# KiCad board oresat-live-card.kicad_pcb (continued)
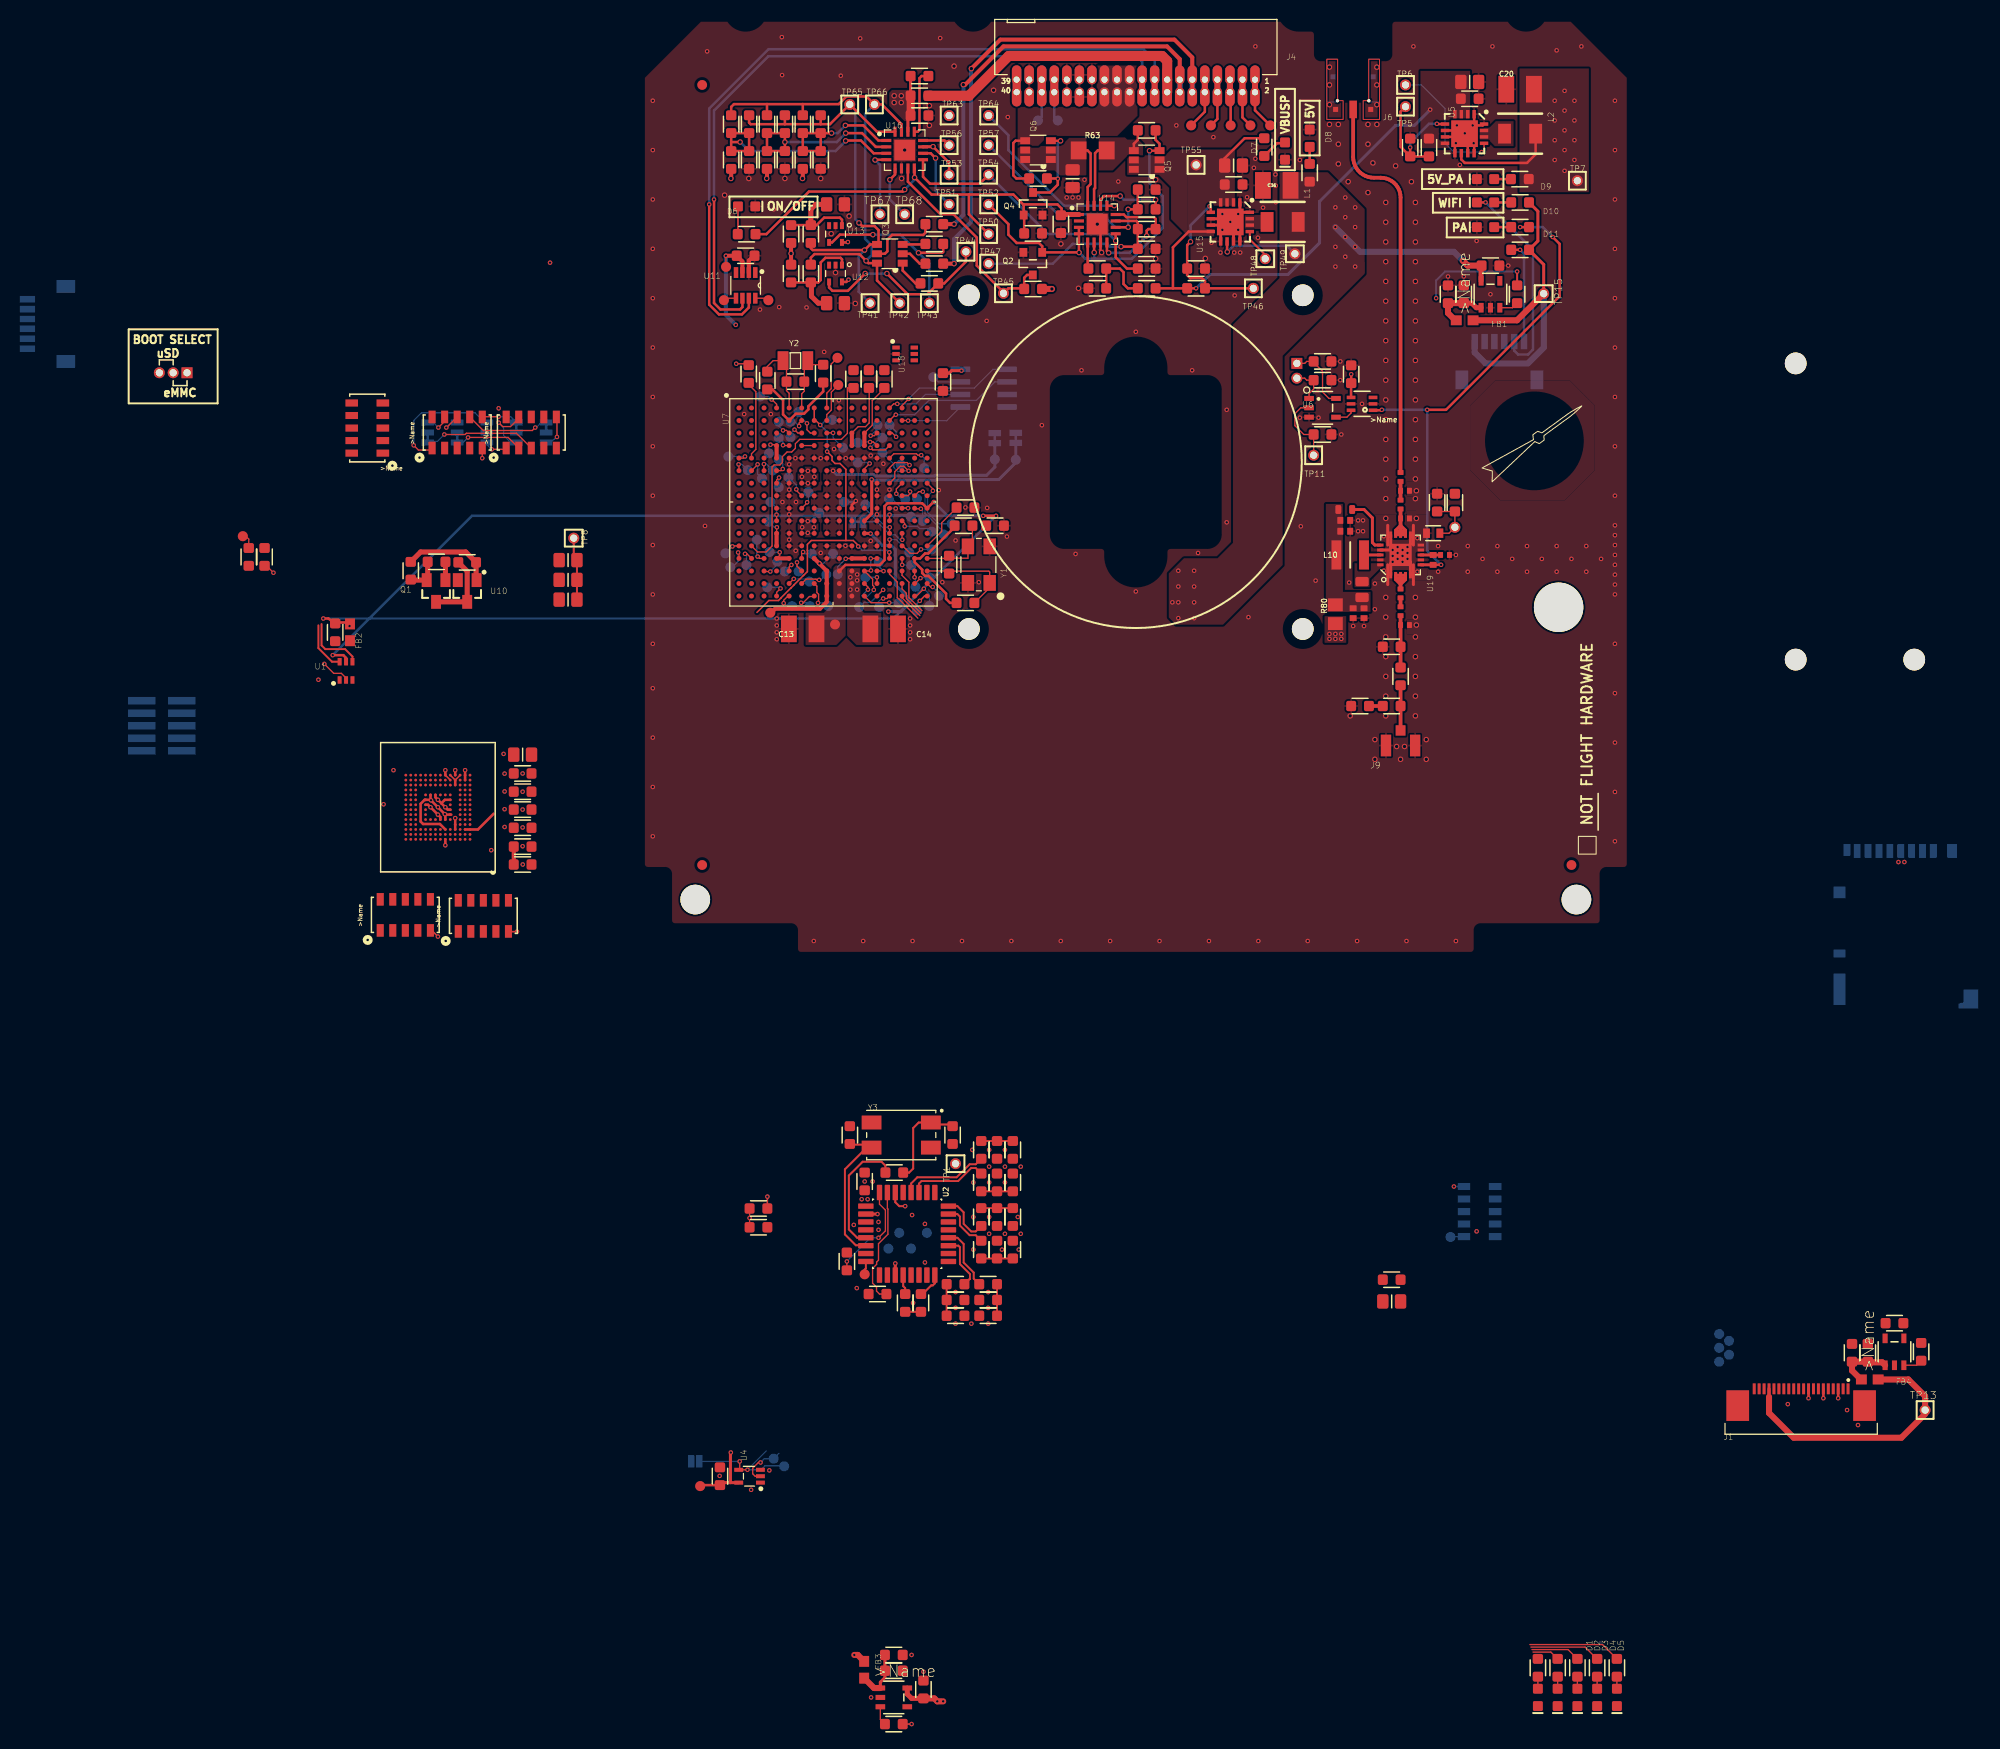
[diagram p0: board, top side]
## Footprints (pads in the part's own frame, mm; a bottom-side part is the same pattern mirrored in y, then rotated) (continued)
SMT-JUMPER_2_NC_TRACE_SILK
  rect 0.635x1.27 smd: 1(-0.508,0) 2(0.508,0)
SMT-JUMPER_2_NO_SILK
  rect 0.635x1.27 smd: 1(-0.406,0) 2(0.406,0)
SMT-JUMPER_3_1-NC_TRACE_SILK
  rect 0.635x1.27 smd: 1(-1.016,0) 2(0,0) 3(1.016,0)
SOIC8
  rect 1.981x0.559 smd: 1(-2.362,1.905) 2(-2.362,0.635) 3(-2.362,-0.635) 4(-2.362,-1.905) 5(2.362,-1.905) 6(2.362,-0.635) 7(2.362,0.635) 8(2.362,1.905)
SOT23
  rect 0.787x0.889 smd: 1(-0.953,-1.143) 2(0.953,-1.143) 3(0,1.143)
SOT23-3
  rect 1x1.4 smd: 1(-0.95,-1.1) 2(0.95,-1.1) 3(0,1.1)
SOT23-6
  rect 0.7x1 smd: 1(-0.95,-1.3) 2(0,-1.3) 3(0.95,-1.3) 4(0.95,1.3) 5(0,1.3) 6(-0.95,1.3)
SOT23-8_TI-DCN
  rect 0.45x1.1 smd: 1(-0.975,-1.3) 2(-0.325,-1.3) 3(0.325,-1.3) 4(0.975,-1.3) 5(0.975,1.3) 6(0.325,1.3) 7(-0.325,1.3) 8(-0.975,1.3)
SOT23-BEC
  rect 1x1.4 smd: B(-0.95,-1.1) C(0,1.1) E(0.95,-1.1)
TE_2-1734592-0
  rect 0.3x1.1 smd: 1(-4.75,-1.7) 2(-4.25,-1.7) 3(-3.75,-1.7) 4(-3.25,-1.7) 5(-2.75,-1.7) 6(-2.25,-1.7) 7(-1.75,-1.7) 8(-1.25,-1.7) 9(-0.75,-1.7) 10(-0.25,-1.7) 11(0.25,-1.7) 12(0.75,-1.7) 13(1.25,-1.7) 14(1.75,-1.7) 15(2.25,-1.7) 16(2.75,-1.7) 17(3.25,-1.7) 18(3.75,-1.7) 19(4.25,-1.7) 20(4.75,-1.7)
  rect 2.3x3.1 smd: PAD1(6.42,0) PAD2(-6.42,0)
U.FL-R-SMT
  rect 1x1.05 smd: 1(0,1.525)
  rect 1.05x2.2 smd: 2(-1.475,0) 3(1.475,0)
unnamed
  round 2.2 hole 2.2 unplated: (0,0)
unnamed#2
  round 5 hole 5 unplated: (0,0)
WF-NP9202
  round 2.2 hole 2.2 unplated: (-6,-15) (6,-15) (6,15)

## Nets
1.8V-A: C24.1 C25.1 C26.1 R18.1 TP8.1 TP171.1 U7.A7 U7.B7 U7.N13
3.3V: C2.1 C3.1 C5.1 C6.1 C8.1 C9.1 C11.1 C15.1 C31.2 C40.2 C65.1 J5.P$1 J7.4 J8.1 R1.1 R6.2 R7.2 R8.5 R8.10 R9.5 R9.10 R10.5 R10.10 R20.2 R22.2 R24.5 R24.10 R60.1 R76.2 R97.1 R99.1 TP25.1 U2.3 U2.22 U2.25 U2.26 U3.C6 U3.E6 U3.F5 U3.J10 U3.K9 U3.M4 U3.N4 U3.P3 U3.P5 U6.5 U7.F6 U7.F7 U7.G6 U7.G7 U11.3 U17.8 U$1.P$1
3.3VA: C41.1 JP101.1 TP165.1 U7.F8 U7.F9 U7.G8 U7.G9 U7.H7 U7.H8 U7.H9 U7.J7 U7.J8 U7.J9 U7.K8 U7.K9 U7.L8 U7.L9 U18.5
5V: C1.1 C14.1 C28.1 C36.1 C54.1 L1.2 R62.2 TP49.1 U7.P10 U7.R10 U7.T10 U9.5 U15.10 U20.5 U21.5
5V_PA: C20.1 C21.1 L2.2 R11.2 R80.2 TP7.1 U5.10 U8.4
GND: C1.2 C2.2 C3.2 C4.2 C5.2 C6.2 C7.2 C8.2 C9.2 C10.2 C11.2 C12.2 C13.2 C14.2 C15.2 C16.2 C17.2 C18.2 C20.2 C21.2 C23.2 C24.2 C25.2 C26.2 C27.2 C28.2 C31.1 C32.2 C34.2 C35.2 C36.2 C37.2 C38.2 C39.1 C40.1 C41.2 C42.2 C43.2 C44.2 C45.2 C46.2 C47.2 C48.2 C50.2 C52.2 C53.2 C54.2 C55.2 C56.2 C57.2 C58.2 C59.2 C60.2 C61.2 C62.2 C63.2 C64.2 C65.2 D1.C D2.C D3.C D4.C D5.C D6.C D7.C D8.C D9.C D11.C J1.3 J1.6 J1.9 J1.PAD1 J1.PAD2 J2.3 J2.7 J2.8 J4.27 J4.28 J4.29 J4.30 J4.31 J4.32 J4.37 J4.38 J6.P$1 J6.P$2 J6.P$3 J6.P$4 J7.6 J7.CGND1 J7.CGND2 J7.CGND3 J7.CGND4 J7.CGND5 J7.CGND6 J7.GND J8.3 J8.5 J8.9 J9.2 J9.3 J10.3 J10.7 J10.8 JP100.2 L7.1 Q2.2 Q4.2 R14.1 R15.1 R16.1 R17.1 R19.1 R25.5 R25.10 R26.5 R26.10 R33.1 R39.1 R40.1 R42.1 R46.1 R51.1 R54.1 R56.1 R58.1 R59.2 R78.1 R83.1 R85.1 R88.2 R90.1 R92.1 R94.1 R96.1 R100.1 R101.1 RT2.2 U1.2 U2.7 U2.27 U2.28 U2.31 U3.A6 U3.C4 U3.E7 U3.G5 U3.H10 U3.J5 U3.K8 U3.N2 U3.N5 U3.P4 U3.P6 U4.3 U5.1 U5.6 U5.7 U5.9 U5.11 U5.12 U5.16 U5.PAD U6.3 U7.A9 U7.B9 U7.D8 U7.D9 U7.E5 U7.E6 U7.E7 U7.E8 U7.E9 U7.E10 U7.E11 U7.E12 U7.F5 U7.F12 U7.G5 U7.G12 U7.H4 U7.H5 U7.H12 U7.H13 U7.J4 U7.J5 U7.J12 U7.J13 U7.K5 U7.K12 U7.L5 U7.L12 U7.M5 U7.M6 U7.M7 U7.M8 U7.M9 U7.M10 U7.M11 U7.M12 U7.N8 U7.N9 U8.2 U8.5 U9.2 U11.2 U12.2 U13.2 U14.7 U14.EPAD U15.1 U15.6 U15.7 U15.9 U15.11 U15.12 U15.16 U15.PAD U16.6 U16.EPAD U17.4 U18.2 U19.1 U19.5 U19.7 U19.9 U19.10 U19.11 U19.15 U19.17 U19.19 U19.21 U20.2 U21.2 U$1.P$3 Y1.2 Y1.4 Y3.2 Y3.4
VBUS: J4.21 J4.22 J4.23 J4.24 J4.25 J4.26 Q6.4 R52.2
VBUSP: C16.1 C17.1 C33.2 C37.1 C38.1 Q5.1 Q5.2 Q5.5 Q5.6 R12.2 R34.2 R61.2 TP55.1 U5.2 U5.3 U5.4 U5.8 U15.2 U15.3 U15.4 U15.8
VDD: TP3.1 U7.K6 U7.K7 U7.L6 U7.L7
VIN_USB: C4.1 C13.1 FB2.2 TP2.1 U1.5 U7.J16 U7.P9 U7.R9 U7.T9
AD0: R57.1 R58.2 R69.2 R70.1 U16.1
AD1: R55.1 R56.2 R67.2 R68.1 U16.2
AD2: R53.1 R54.2 R65.2 R66.1 U16.3
BOOT0: TP51.1 U16.10
CAM_~{OVERCUR}: R6.1 U2.10 U9.3
CAM_~{PWRON}: U2.9 U9.4
CAN1_H: J4.33 J4.34 TP184.1
CAN1_L: J4.35 J4.36 TP183.1
CAN2_H: J4.17 J4.18 U11.7
CAN2_L: J4.19 J4.20 U11.6
CB-RESET: R39.2 TP54.1 U14.9 U16.9
CB_CTRL: Q2.1 Q5.3 R64.1 TP52.1 U14.3 U14.4 U14.6
EEPROM_WP: J1.20 R75.1 TP112.1 U18.6
HO_~{OVERCUR}: R76.1 U2.14 U21.3
HO_~{PWRON}: U2.13 U21.4
I2C0_SCL: J1.18 R73.1 TP155.1 U18.3
I2C0_SDA: J1.19 R74.1 TP151.1 U18.1
IOUT: R50.2 U14.14
N$1: U7.D6 U7.D7
N$2: D5.A R5.2
N$3: TP9.1 U7.F10 U7.G10 U7.H10 U7.H11 U7.J10 U7.J11 U7.K10 U7.L10
N$4: J7.1 R8.2 U7.C16
N$5: J7.2 R8.9 U7.C15
N$6: J7.3 R8.3 U7.B16
N$7: J7.5 R8.8 U7.B15
N$8: J7.7 R8.4 U7.A16
N$9: J7.8 R8.7 U7.A15
N$10: J7.CD R8.6 TP22.1 U7.C14
N$11: U7.B11 U11.4
N$12: U7.A11 U11.1
N$13: TP40.1 U11.8
N$14: TP35.1 U11.5
N$15: JP105.3 R25.3
N$16: JP105.1 R24.9
N$17: JP106.1 R24.8
N$18: JP107.3 R24.1
N$19: D10.A R21.2
N$20: JP101.2 Q1.E R23.2 R28.2
N$21: JP109.3 R24.7
N$22: R28.1 R31.2 U10.1
N$23: Q1.B R23.1 U10.2
N$24: JP108.3 R24.6
N$25: C32.1 R36.1 R37.1 U12.1
N$26: D11.A R30.2
N$27: R35.1 TP44.1 U12.4
N$28: U7.A13 U17.6
N$29: U7.B13 U17.2
N$30: U7.B14 U17.5
N$31: U7.A14 U17.1
N$32: TP56.1 U16.12
N$33: TP30.1 U7.A4
N$34: TP180.1 U7.C5
N$35: TP104.1 U7.T4
N$36: TP123.1 U7.P5
N$37: TP115.1 U7.R5
N$38: TP105.1 U7.T5
N$39: TP124.1 U7.P6
N$40: TP120.1 U7.R6
N$41: TP125.1 U7.N14
N$42: TP114.1 U7.P15
N$43: TP111.1 U7.R16
N$44: TP177.1 U7.C12
N$45: TP178.1 U7.C13
N$46: TP162.1 U7.F1
N$47: TP153.1 U7.F3
N$48: TP152.1 U7.F2
N$49: TP159.1 U7.E1
N$50: TP143.1 U7.J14
N$51: TP174.1 U7.D13
N$52: TP158.1 U7.E13
N$53: C18.1 JP104.1 TP14.1 TP164.1 U4.5 U7.K11 U7.L11
N$54: TP137.1 U7.H15
N$55: TP149.1 U7.H14
N$56: TP135.1 U7.G16
N$57: TP172.1 U7.D12
N$58: TP150.1 U7.J6
N$59: TP145.1 U7.K4
N$60: TP157.1 U7.H6
N$61: TP173.1 U7.D5
N$62: TP166.1 U7.G13
N$63: TP160.1 U7.F13
N$64: TP154.1 U7.G4
N$65: TP156.1 U7.F4
N$66: TP6.1 U5.13
N$67: TP169.1 U7.C8
N$68: TP176.1 U7.C7
N$69: TP175.1 U7.C6
N$70: TP181.1 U7.B6
N$71: TP38.1 U7.B8
N$72: TP39.1 U7.A8
N$73: TP141.1 U7.K13
N$74: TP139.1 U7.J15
N$75: TP106.1 U7.T7
N$76: TP100.1 U7.T12
N$77: TP118.1 U7.R12
N$78: TP126.1 U7.P12
N$79: TP101.1 U7.T13
N$80: D4.A R4.2
N$81: D3.A R3.2
N$82: TP108.1 U7.T15
N$83: TP117.1 U7.R15
N$84: TP103.1 U7.T16
N$85: TP122.1 U7.P3
N$86: TP107.1 U7.R7
N$87: D2.A R2.2
N$88: D1.A R1.2
N$89: TP12.1 U7.M14
N$91: R20.1 U7.E3
N$92: TP144.1 U7.L13
N$93: TP134.1 U7.M1
N$94: TP131.1 U7.N3
N$95: TP127.1 U7.N2
N$96: TP128.1 U7.N1
N$97: TP148.1 U7.G14
N$98: C44.1 Q6.1 Q6.2 Q6.5 Q6.6 R63.1 U14.16
N$99: Q5.4 R63.2 R64.2 U14.15
N$100: C35.1 R44.1 R45.1 U13.1
N$101: R22.1 U7.E2
N$102: JP100.1 U7.L14
N$103: J4.1 J4.2 TP62.1
N$104: TP138.1 U7.K14
N$105: JP106.3 R25.2
N$106: JP107.1 R25.1
N$107: JP108.1 R25.9
N$108: JP109.1 R25.6
N$109: D9.A R11.1
N$110: R59.1 R60.2 U17.3
N$111: TP69.1 U17.7
N$112: J8.10 JP1.2
N$113: Q3.3 R43.2
N$114: R74.2 U7.C11 U7.D11
N$115: R75.2 U7.M2
N$116: R73.2 U7.C10 U7.D10
N$117: Q3.1 R35.2
N$118: J5.P$2 R16.2 U6.1
N$119: U6.4 U8.6
N$120: R100.2 U2.24
N$122: C7.1 C27.1 FB3.1 U9.1
N$123: TP19.1 U2.6
N$124: C42.1 C53.1 FB1.1 U20.1
N$125: TP20.1 U2.5
N$126: C55.1 C56.1 FB4.1 U21.1
N$127: R101.2 U2.23
N$134: C43.1 C45.1 C46.1 C48.1 L8.2 L10.2 R80.1 R82.2
N$135: C47.1 R81.2 U19.8
N$136: C50.1 L9.1 U19.12 U19.13 U19.14
N$137: C49.1 C52.1 L9.2
N$138: R84.2 U19.2 U19.3 U19.4
N$139: R82.1 U19.16
N$140: L8.1 U19.20
N$142: L10.1 U19.18
N$143: C51.2 R84.1
N$144: R87.2 R88.1
N$146: C51.1 L7.2 R85.2 R86.1
N$149: C64.1 R98.2 Y3.1
N$151: TP16.1 U2.32
N$270: D7.A R61.1
N$271: D8.A R62.1
N$385: TP53.1 U16.11
N$401: TP4.1 TP130.1 U7.N7 U7.P8 U7.R8 U7.T8
N$404: TP129.1 U7.N6
N$405: TP161.1 U7.F11 U7.G11
N$407: JP104.2 Q1.C R31.1 U10.3
N$479: Q3.5 R48.2
N$504: TP167.1 U7.D4 U7.E4
N$519: TP140.1 U7.L4 U7.M4
N$520: TP132.1 U7.N4 U7.N5
N$524: TP121.1 U7.N10 U7.N11
N$525: TP102.1 U7.T11
N$529: TP136.1 U7.M13
N$530: J8.6 U7.C2
N$533: J8.4 U7.D1
N$534: J8.2 U7.D2
N$535: JP105.2 U7.G3
N$575: D6.A R49.1
N$578: JP106.2 U7.G2
N$579: Q3.2 R41.2
N$580: R43.1 TP43.1 U13.4
N$582: JP107.2 U7.G1 U$1.P$2
N$583: JP108.2 U7.H3
N$584: JP109.2 U7.H2
N$585: R25.4 U7.H1
N$586: R25.7 U7.J3
N$587: R26.4 U7.J1
N$588: R26.7 U7.K3
N$589: R72.1 U16.13
N$590: Q4.3 Q6.3 R52.1
N$591: R26.3 U7.K2
N$592: R26.8 U7.K1
N$594: R26.2 U7.L3
N$595: R26.9 U7.L2
N$596: R50.1 R51.2 TP57.1 U14.10
N$597: R42.2 R47.1 TP47.1 U14.11
N$599: R47.2 U14.8 U14.12
N$601: R24.2 U7.L1
N$602: R26.1 U7.M3
N$603: C33.1 R33.2 R38.2
N$604: R38.1 U14.5
N$609: R15.2 U7.M16
N$621: J8.8 U7.C1
N$629: R26.6 U7.J2
N$640: C10.1 C12.1 U3.C2
N$641: R9.7 U3.A3 U7.R3
N$642: R9.8 U3.A4 U7.R2
N$643: R9.3 U3.A5 U7.R1
N$644: R9.2 U3.B2 U7.T3
N$645: R9.1 U3.B3 U7.T2
N$646: R9.9 U3.B4 U7.T1
N$647: R10.1 U3.B5 U7.P4
N$648: R9.4 U3.B6 U7.R4
N$649: R9.6 U3.M5 U7.P1
N$651: R10.9 U3.M6 U7.P2
N$652: R10.2 U3.K5 U7.R13
N$653: R2.1 U7.P13
N$654: R3.1 U7.T14
N$655: R4.1 U7.R14
N$656: R5.1 U7.P14
N$657: R19.2 TP31.1 U7.D3
ON/~{OFF}: C34.1 Q4.1 R46.2 R49.2 TP50.1 U14.1 U16.8
OPD_PWR: J4.15 J4.16 R71.1
OPD_SCL: J4.13 J4.14 R48.1
OPD_SDA: J4.11 J4.12 R41.1
OSC0_GND: C19.1 C22.1 U7.N15
OSC0_IN: C19.2 R13.2 U7.P16 Y1.1
OSC0_OUT: C22.2 R13.1 U7.N16 Y1.3
OSC1_GND1: C29.2 C30.2 U7.B5
OSC1_IN1: C30.1 R27.2 U7.A6 Y2.P$2
OSC1_OUT1: C29.1 R27.1 U7.A5 Y2.P$1
PA_ENABLE: R17.2 TP11.1 U6.2 U7.H16
PA_THERMISTOR: C23.1 R18.2 RT2.1 TP10.1 U7.C9
PA_TOGGLE: R30.1 R81.1 U8.1 U19.6
PB6/SCL: TP67.1 U16.4
PB7/SDA: TP68.1 U16.5
PEN-SCL-FILT: Q3.6 R37.2 R65.1 R67.1 R69.1 TP42.1 TP66.1 U16.15
PEN-SDA-FILT: Q3.4 R45.2 R66.2 R68.2 R70.2 TP41.1 TP65.1 U16.16
PMIC_PGOOD: TP110.1 U4.2 U7.N12 U7.P11
POUT: TP64.1 U14.13
RESET#: JP1.1 TP109.1 U4.4 U7.R11
SPARE1: J4.9 J4.10 TP58.1
SPARE2: J4.7 J4.8 TP59.1
SPARE3: J4.5 J4.6 TP60.1
SPARE4: J4.3 J4.4 TP61.1
TPS62111-PG: TP48.1 U15.13
TPS62111-SYNC: R34.1 R40.2 TP46.1 U15.5
TPS62111-SYNC1: R12.1 R14.2 TP5.1 U5.5
TPS62111_SW: L1.1 U15.14 U15.15
TPS62111_SW1: L2.1 U5.14 U5.15
TUSB_BUSPWR: R99.2 TP18.1 U2.8
TUSB_XTAL1: C63.1 U2.30 Y3.3
TUSB_XTAL2: R98.1 U2.29
TUSB_~{RESET}: R97.2 TP17.1 U2.4
TX_IN: J9.1 R86.2 R87.1
TX_OUT: C49.2 J6.RF
UART0_RX: J1.12 TP146.1 U7.A12
UART0_TX: J1.13 TP142.1 U7.B12
USB1_N: U2.2 U7.L16
USB1_P: U2.1 U7.L15
USB_CAM_N: C57.1 J10.5 R77.1 R78.2
USB_CAM_P: C58.1 J10.4 R79.1 R83.2
USB_CAM_VBUS: FB3.2 J10.6 TP1.1
USB_DEV_N: J1.5 U1.6 U7.K16
USB_DEV_P: J1.4 U1.4 U7.K15
USB_DEV_VBUS: FB2.1 J1.1 J1.2
USB_HO_N: C59.1 J1.8 R89.1 R90.2
USB_HO_P: C60.1 J1.7 R91.1 R92.2
USB_HO_VBUS: FB4.2 J1.17 TP13.1
USB_WIFI_N: C61.1 J2.5 R93.1 R94.2
USB_WIFI_P: C62.1 J2.4 R95.1 R96.2
USB_WIFI_VBUS: FB1.2 J2.6 R21.1 R29.1 TP15.1
USBH1_N: R77.2 U2.11
USBH1_P: R79.2 U2.12
USBH2_N: R89.2 U2.15
USBH2_P: R91.2 U2.16
USBH3_N: R93.2 U2.19
USBH3_P: R95.2 U2.20
VPD: C39.2 R32.2 R36.2 R44.2 R53.2 R55.2 R57.2 R71.2 R72.2 TP63.1 U12.5 U13.5 U16.14
WIFI_ENABLE: J2.1 R29.2
WIFI_STATUS: D10.C J2.2
WIFI_~{OVERCUR}: R7.1 U2.18 U20.3
WIFI_~{PWRON}: U2.17 U20.4
~{FAULT}: Q2.3 R32.1 TP45.1 U16.7
~{SD}: J4.39 J4.40

Pads without a net: J1 10 11 14 15 16; J8 7; J10 1 2; R8 1; R10 3 4 6 7 8; R24 3 4; R25 8; U1 1 3; U2 21; U3 A1 A2 A7 A8 A9 A10 A11 A12 A13 A14 B1 B7 B8 B9 B10 B11 B12 B13 B14 C1 C3 C5 C7 C8 C9 C10 C11 C12 C13 C14 D1 D2 D3 D4 D12 D13 D14 E1 E2 E3 E5 E8 E9 E10 E12 E13 E14 F1 F2 F3 F10 F12 F13 F14 G1 G2 G3 G10 G12 G13 G14 H1 H2 H3 H5 H12 H13 H14 J1 J2 J3 J12 J13 J14 K1 K2 K3 K6 K7 K10 K12 K13 K14 L1 L2 L3 L12 L13 L14 M1 M2 M3 M7 M8 M9 M10 M11 M12 M13 M14 N1 N3 N6 N7 N8 N9 N10 N11 N12 N13 N14 P1 P2 P7 P8 P9 P10 P11 P12 P13 P14; U4 1; U7 A1 A2 A3 A10 B1 B2 B3 B4 B10 C3 C4 D14 D15 D16 E14 E15 E16 F14 F15 F16 G15 M15 P7 T6; U8 3; U12 3; U13 3; U14 2; U18 4

## Via types
v1: diameter 0.457, hole 0.254, Top to Bottom, 487 vias
v2: diameter 0.553, hole 0.35, Top to Bottom, 144 vias
v3: diameter 0.458, hole 0.254, Top to Bottom, 1 via

## Routing (per net, layer and track width the routed paths; a pad name or vN(x,y) marks a point on that pad's centre or on a via; arc(x,y) is an arc through that point)
1.8V-A: length 42.3
  Top w0.152: 11.55,34.58 12.75,35.78 13.72,35.78 13.99,36.05 13.99,36.06 14.98,37.05 14.99,37.05 15.26,37.32 15.26,37.33 16.25,38.32 16.26,38.32 16.65,38.71 16.65,40.52 16.65,40.52 16.65,40.88 16.65,41.46 17.05,41.86 20.55,41.86 ; v1(21.8,41.26) 21.8,41.36 21.3,41.86 20.55,41.86 ; v1(17.95,53.56) 17.5,54.02 U7.B7 U7.A7 ; 20.55,41.86 20.55,49.06 19.95,49.66 19.45,49.66 19.15,49.96 19.15,50.36 v1(18.65,50.86) ; C24.1 -6.88,35.87 ; U7.N13 24.95,40.06 v1(24.95,40.66)
  Top w0.2: C24.1 C25.1 C26.1 -7,40.2 TP8.1
  Bottom w0.152: v1(21.8,41.26) 22.2,40.86 24.75,40.86 v1(24.95,40.66) ; TP171.1 19.15,54.06 18.55,54.06 18.05,53.56 v1(17.95,53.56) 18.65,52.86 v1(18.65,50.86)
3.3V: length 57.3
  Top w0.127: v1(-37.4,38.6) -38.1,39.3 R20.2 ; J5.P$1 67,59.8 67.2,60 C15.1 67.9,59.9 68.8,59 68.8,56.9 69.45,56.25 U6.5 ; v1(8.4,70.7) 8.4,69.59 TP25.1 ; R22.2 10.58,59.76 v1(9.45,59.76) ; R24.5 v1(-16.26,50.2)
  Top w0.152: v1(-20.75,1.75) -21.38,2.38 R9.5 ; R6.2 v1(27.2,-78) ; -21.49,16.1 U3.K9 ; -18.55,18.15 U3.P3 U3.N4 U3.P5 ; R60.1 v1(12.6,-24.59) ; v1(-12.75,2.25) -13.58,2.25 R10.5
  Top w0.2: v1(27.35,-35.35) 27.35,-36.25 ; 27.35,-36.25 R97.1 ; 27.35,-36.25 R99.1 ; v1(26.55,-25.55) 25.95,-25.55 25.55,-25.15 U2.22 ; R7.2 v1(88.5,69.1)
  Top w0.254: U3.N4 U3.M4 ; U3.C6 -20.55,13.15 -22.25,13.15 -22.5,13.4 -22.5,15.2 -22.1,15.6 U3.J10 -21.5,15.6 ; -21.5,15.6 v1(-21.45,15.55) v1(-20.75,14.85) v1(-20.05,14.15) -20,14.1 ; -21.5,15.6 U3.K9 ; -20,14.1 U3.F5 -19.4,14.1 ; -20,14.1 U3.E6
  Top w0.3: U2.26 v1(23.75,-26.35)
  Top w0.305: U2.3 v1(25.55,-31.35)
  Top w0.406: v1(8.4,70.7) C31.2 10.08,70.12 U11.3
  Bottom w0.127: R8.10 v1(82.1,-23.56)
  Bottom w0.2: v1(88.5,69.1) 81.2,69.1 80.3,68.2 v1(80.3,66.4)
  Bottom w0.406: v1(9.4,63.7) 8.4,64.7 v1(8.4,70.7)
  vias: v1(-15.35,10.5) v1(-14.1,20.25) v1(-14,18.25) v1(-14,16.45) v1(-14,14.65) v1(-14,12.85) v1(16.1,48.31) v1(16.7,48.91) v1(16.7,47.66) v1(17.35,48.31) v1(22.15,-24.85) v1(22.75,-24.85) v1(84.4,-28.1) v1(127.1,9.3) v1(127.7,9.3)
3.3VA: length 21.4
  Top w0.305: C41.1 31,58.81 31.25,59.06 v1(32.25,59.06)
  Bottom w0.305: JP101.1 TP165.1 35.62,49.29 34.8,48.47 29.6,48.47 29.53,48.4 23.52,48.4 23.36,48.55 19.62,48.55 v1(19.25,48.92)
5V: length 31.6
  Top w0.254: v2(59.16,71.09) 59.14,71.11 U15.10
  Top w0.5: C1.1 84.85,69.65 U20.5 ; C54.1 27.2,-75.4 26.76,-74.96 U9.5
  Top w0.61: v1(30.4,-75.7) v1(29.8,-75.7) 29.5,-75.4 C54.1 ; v1(83,70.2) v1(83.4,69.8) 83.5,69.7 C1.1
  Bottom w0.254: v2(59.16,71.09) 59.78,71.71 65.19,71.71 TP49.1
  Bottom w0.61: v1(70.1,73.6) v1(72.1,71.6) 72.6,71.1 82.1,71.1 v1(83.4,69.8)
  vias: v1(21,38.14) v1(21,36.89) v1(21.69,38.42) v1(21.69,37.82) v1(21.69,36.89) v1(53.6,35.6) v1(54.2,38.8) v1(54.2,37.2) v1(54.2,35.6) v1(54.2,34) v1(55.8,38.8) v1(55.8,37.2) v1(55.8,35.6) v1(55.8,34) v1(70.1,75.6) v1(70.1,71.6) v1(70.1,69.6) v1(71.1,76.6) v1(71.1,74.6) v1(71.1,72.6) v1(71.1,70.6) v1(72.1,75.6) v1(72.1,73.6) v1(72.1,69.6)
5V_PA: length 25.7
  Top w0.254: L2.2 90.38,80.97 89.5,80.1 83.2,80.1 82.85,80.45 U5.10 ; v1(71.7,58.7) C21.1 71.69,57.79 U8.4
  In2.Cu w0.406: v1(71.7,58.7) 71.7,57.38 69.92,55.6 69.92,46.82
  vias: v1(69.5,32.4) v1(69.5,31.9) v1(70.1,32.4) v1(70.1,31.9) v1(70.7,32.4) v1(70.7,31.9) v1(92.3,86.4) v1(92.3,84.4) v1(92.3,82.4) v1(92.3,80.4) v1(93.3,87.4) v1(93.3,85.4) v1(93.3,83.4) v1(93.3,81.4) v1(93.3,79.3) v1(94.3,86.4) v1(94.3,84.4) v1(94.3,82.4) v1(94.3,80.4)
GND: length 65.3
  Top w0.127: v1(-32.25,29.36) -31.3,28.41 -30.53,28.41 -30.11,27.99 -30.11,27.8 U1.2
  Top w0.152: U3.N5 U3.P6
  Top w0.254: U3.C4 v1(-19,13.75) ; U3.P4 v1(-19,18.6) ; U5.11 83.5,82.74 ; 83.5,82.74 84.15,82.09 U5.12 ; 83.5,82.74 U5.PAD ; U5.7 82.28,82.74 ; 82.28,82.74 82.2,82.66 U5.9 ; 82.28,82.74 82.75,82.74 83.07,83.06 ; U3.A6 v1(-20,11) ; -20.4,15.25 v1(-20.75,15.6) -21,15.85 U3.K8 ; -20.4,15.25 v1(-20,14.85) -19.75,14.6 U3.G5 ; -20.4,15.25 -20.05,15.6 U3.J5 ; U5.16 85.01,83.9 84.2,83.9 ; 83.07,83.06 82.68,83.06 82.35,83.39 U5.6 ; 83.07,83.06 U5.PAD ; U3.N2 v1(-18,18.6) ; U5.1 84.15,83.95 84.2,83.9 ; 84.2,83.9 v1(84,83.9) 83.18,83.07 U5.PAD ; J1.3 v1(121,-45) ; U3.P6 v1(-20,18.6) ; v2(46.44,71.02) 46.32,71.14 U14.7 46.32,73.57 v2(46,73.9) ; U3.E7 -20.5,13.85 v1(-20.75,14.1) v1(-21.5,14.85) -21.75,15.1 U3.H10 ; J1.9 v1(118,-45) ; J1.6 v1(119.5,-45)
  Top w0.3: U19.5 77.7,39.7 v1(77.4,40) ; v1(59.46,74.12) 59.14,74.45 U15.6 ; v1(59.46,74.12) 60.44,75.1 ; v1(59.46,74.12) 58.49,73.15 U15.9 ; v1(59.46,74.12) 59.14,73.8 U15.7 ; v1(59.46,74.12) 60.44,73.15 U15.12 ; v1(59.46,74.12) 59.79,73.8 U15.11 ; 78,37.4 78,39.4 ; U19.17 76.1,40.9 v1(76.4,40.6) ; 75.4,41.4 75.4,43.4 ; 60.44,75.1 U15.1 ; 60.44,75.1 U15.16 ; v1(75.9,40.9) 75.7,41.1 U19.15 ; 78,41.4 78,43.4 ; v1(75.9,39.7) 75.7,39.5 U19.1 ; v1(77.4,41.2) 77.7,41.5 U19.11 ; 75.4,37.4 75.4,39.4
  Top w0.406: C31.1 11.21,70.7 10.72,70.21 U11.2
  Bottom w0.127: J7.CGND3 133.43,-5.03 J7.CGND1
  vias: v1(-32.85,27.76) v1(-29.7,33.2) v1(-26.25,15.15) v1(-25.25,18.6) v1(-14.6,55.25) v1(-12.17,18.27) v1(-12.17,16.42) v1(-12.17,14.61) v1(-12.17,12.8) v1(-12.17,10.9) v1(-12.16,9.05) v1(-9.4,70) v1(1,86.4) v1(1,81.4) v1(1,76.4) v1(1,71.4) v1(1,66.4) v1(1,61.4) v1(1,56.4) v1(1,51.4) v1(1,46.4) v1(1,41.4) v1(1,36.4) v1(1,31.4) v1(1,26.9) v1(1,21.9) v1(1,16.9) v1(1,11.9) v1(6.29,43.34) v1(6.5,91.4) v1(7.77,-52.87) v1(10.25,54.66) v1(10.96,-54.28) v1(11.85,65.25) v1(12.8,-52.31) v1(12.95,54.66) v1(13.25,75.4) v1(13.55,33.96) v1(13.55,33.26) v1(13.55,32.56) v1(13.55,31.86) v1(13.8,65.5) v1(14.06,92.84) v1(14.09,88.99) v1(14.12,45.76) v1(14.81,49.57) v1(14.81,47.01) v1(14.81,44.51) v1(14.81,41.95) v1(15.44,50.2) v1(15.5,45.76) v1(15.47,40.82) v1(16.56,65.46) v1(17.3,1.3) v1(18,50.2) v1(18,40.61) v1(18.35,60.96) v1(19.35,51.12) v1(19.83,56.06) v1(20.03,88.93) v1(20.53,50.2) v1(20.5,41.33) v1(21.35,-27.45) v1(21.65,-33.85) v1(22,92.71) v1(22.3,1.3) v1(22.45,-23.05) v1(23.06,50.47) v1(23.06,41.82) v1(23.1,-75.3) v1(23.25,-23.05) v1(23.69,47.01) v1(23.69,44.51) v1(23.85,-27.15) v1(23.85,-27.95) v1(24.34,49.64) v1(24.96,47.01) v1(25.59,45.11) v1(27.05,33.96) v1(27.05,33.26) v1(27.05,32.56) v1(27.05,31.86) v1(27.2,-71) v1(27.3,1.3) v1(27.25,-26.45) v1(28.4,-72.7) v1(28.55,-27.35) v1(28.55,-31.25) v1(29.95,46.96) v1(30.09,92.74) v1(30.31,37.64) v1(31.65,41.86) v1(31.65,-34.25) v1(31.65,-35.85) v1(31.65,-37.45) v1(32.3,1.3) v1(32.64,45.21) v1(33.25,-37.45) v1(33.35,-19.85) v1(33.45,-23.15) v1(33.45,-26.65) v1(33.45,-29.95) v1(34.01,37.64) v1(34.8,64.1) v1(34.85,45.16) v1(34.95,-34.25) v1(34.95,-35.85) v1(34.95,-37.45) v1(35.05,-19.85) v1(35.05,-21.55) v1(35.05,-23.15) v1(35.05,-26.65) v1(35.05,-28.35) v1(36.35,-29.95) v1(36.65,-19.85) v1(36.65,-21.55) v1(36.65,-23.15) v1(36.65,-28.35) v1(36.94,84.74) v1(36.85,42.26) v1(37.3,1.3) v1(37.95,-26.65) v1(38.05,-29.95) v1(38.25,-21.55) v1(38.25,-28.35) v1(40.39,53.54) v1(42.3,1.3) v1(42.9,76.6) v1(43.5,76.6) v1(43.8,40.5) v1(44.1,76.6) v1(44.4,59.1) v1(44.7,78.4) v1(47.3,1.3) v1(48.12,78.21) v1(49.9,63) v1(49.9,36.7) v1(52.3,1.3) v1(54,83.9) v1(55.6,59.1) v1(56.2,40.6) v1(57.3,1.3) v1(57.56,72.02) v1(57.75,82.71) v1(58.46,71.02) v1(58.66,74.92) v1(58.66,73.32) v1(59.1,55.1) v1(59.1,43.7) v1(59.86,71.02) v1(59.91,66.68) v1(60.26,74.92) v1(60.26,73.32) v1(60.46,71.02) v1(61.16,76.62) v1(61.3,34.1) v1(61.85,79.61) v1(62,91.9) v1(62,80.52) v1(62.26,72.52) v1(62.3,1.3) v1(62.78,75.57) v1(64.03,78.93) v1(64.06,77.8) v1(64.06,76.12) v1(66.5,80.4) v1(66.5,54.3) v1(66.6,43.3) v1(67.3,1.3) v1(68.1,37.8) v1(68.4,54.3) v1(70.6,60) v1(70.6,58.1) v1(70.7,52.6) v1(71.5,37.6) v1(71.9,33.2) v1(72.3,1.3) v1(72.4,43.9) v1(72.4,42.8) v1(72.8,55.7) v1(72.9,43.9) v1(72.9,42.8) v1(73,33.2) v1(74.1,37.5) v1(74.1,34.9) v1(75,42.3) v1(75,38.8) v1(75.9,40.3) v1(76.4,41.2) v1(76.4,40) v1(76.9,40.9) v1(76.9,40.3) v1(76.9,39.7) v1(77.3,1.3) v1(77.4,40.6) v1(78,91.9) v1(78.4,42.1) v1(78.4,38.7) v1(80.5,41.3) v1(80.5,38.7) v1(81.5,68.6) v1(82.3,82.1) v1(82.3,40.4) v1(82.3,1.3) v1(82.4,83.9) v1(82.7,79.9) v1(83.1,68.6) v1(83.2,83.1) v1(83.5,41.3) v1(83.5,38.7) v1(84.1,82.1) v1(84.4,72.2) v1(85,40) v1(85.8,66.8) v1(86,91.9) v1(86.5,41.3) v1(86.5,38.7) v1(87.6,69.7) v1(88,40) v1(89.5,41.3) v1(89.5,38.7) v1(91,40) v1(92.5,91.5) v1(92.5,41.3) v1(92.5,38.7) v1(94,40) v1(95,91.9) v1(95.5,41.3) v1(95.5,38.7) v1(97,40) v1(98.4,86.4) v1(98.4,81.4) v1(98.4,76.4) v1(98.4,71.4) v1(98.4,66.4) v1(98.4,61.4) v1(98.4,56.4) v1(98.4,51.4) v1(98.4,46.4) v1(98.4,43.4) v1(98.4,42.4) v1(98.4,41.4) v1(98.4,40.4) v1(98.4,39.4) v1(98.4,38.4) v1(98.4,37.4) v1(98.4,36.4) v1(98.4,31.4) v1(98.4,26.4) v1(98.4,21.4) v1(98.4,16.4) v1(98.4,11.4) v1(115.9,-45.6) v1(121.9,-46.2) v1(123.01,-47.72) v2(8.27,76.84) v2(10.72,78.52) v2(14.38,78.52) v2(18,78.52) v2(19.06,72.93) v2(19.5,68.99) v2(20.88,74.71) v2(21.5,65.87) v2(26.19,78.52) v2(26.5,81.4) v2(29,85.9) v2(29,83.9) v2(31.5,89.9) v2(35.5,87.46) v2(42.31,71.9) v2(44.09,67.4) v2(51.91,78.4) v2(51.91,70.4) v2(56.94,70.43) v2(69.5,89.8) v2(69.5,88) v2(69.5,86) v2(69.5,84) v2(70.4,84) v2(70.4,82) v2(70.4,80) v2(71.4,78.2) v2(71.6,24.1) v2(73.4,84) v2(73.4,82) v2(73.4,77.1) v2(73.9,80.1) v2(74.1,21.7) v2(74.1,19.7) v2(74.3,89.8) v2(74.3,88) v2(74.3,86) v2(74.3,84) v2(75.2,76.1) v2(75.2,74.1) v2(75.2,72.1) v2(75.2,70.1) v2(75.2,68.1) v2(75.2,66.1) v2(75.2,64.1) v2(75.2,62.1) v2(75.2,60.1) v2(75.2,58.1) v2(75.2,56.1) v2(75.2,54.1) v2(75.2,52.1) v2(75.2,50.1) v2(75.2,48.1) v2(75.2,46.1) v2(75.2,44.1) v2(75.2,36.1) v2(75.2,34.1) v2(75.2,32.1) v2(75.2,30.1) v2(75.2,28.1) v2(75.2,26.1) v2(75.2,24.1) v2(76.2,79.8) v2(76.3,21) v2(76.7,19.7) v2(77.1,21) v2(77.8,78.2) v2(78.2,76.1) v2(78.2,74.1) v2(78.2,72.1) v2(78.2,70.1) v2(78.2,68.1) v2(78.2,66.1) v2(78.2,64.1) v2(78.2,62.1) v2(78.2,60.1) v2(78.2,58.1) v2(78.2,56.1) v2(78.2,54.1) v2(78.2,52.1) v2(78.2,50.1) v2(78.2,48.1) v2(78.2,46.1) v2(78.2,36.1) v2(78.2,34.1) v2(78.2,32.1) v2(78.2,30.1) v2(78.2,28.1) v2(78.2,26.1) v2(78.2,24.1) v2(78.3,46.9) v2(78.3,44.1) v2(78.3,33.3) v2(79.3,21.7) v2(79.3,19.7)
